# Altium PCB MASOUD.PcbDoc (part 3 of 5) (continued)
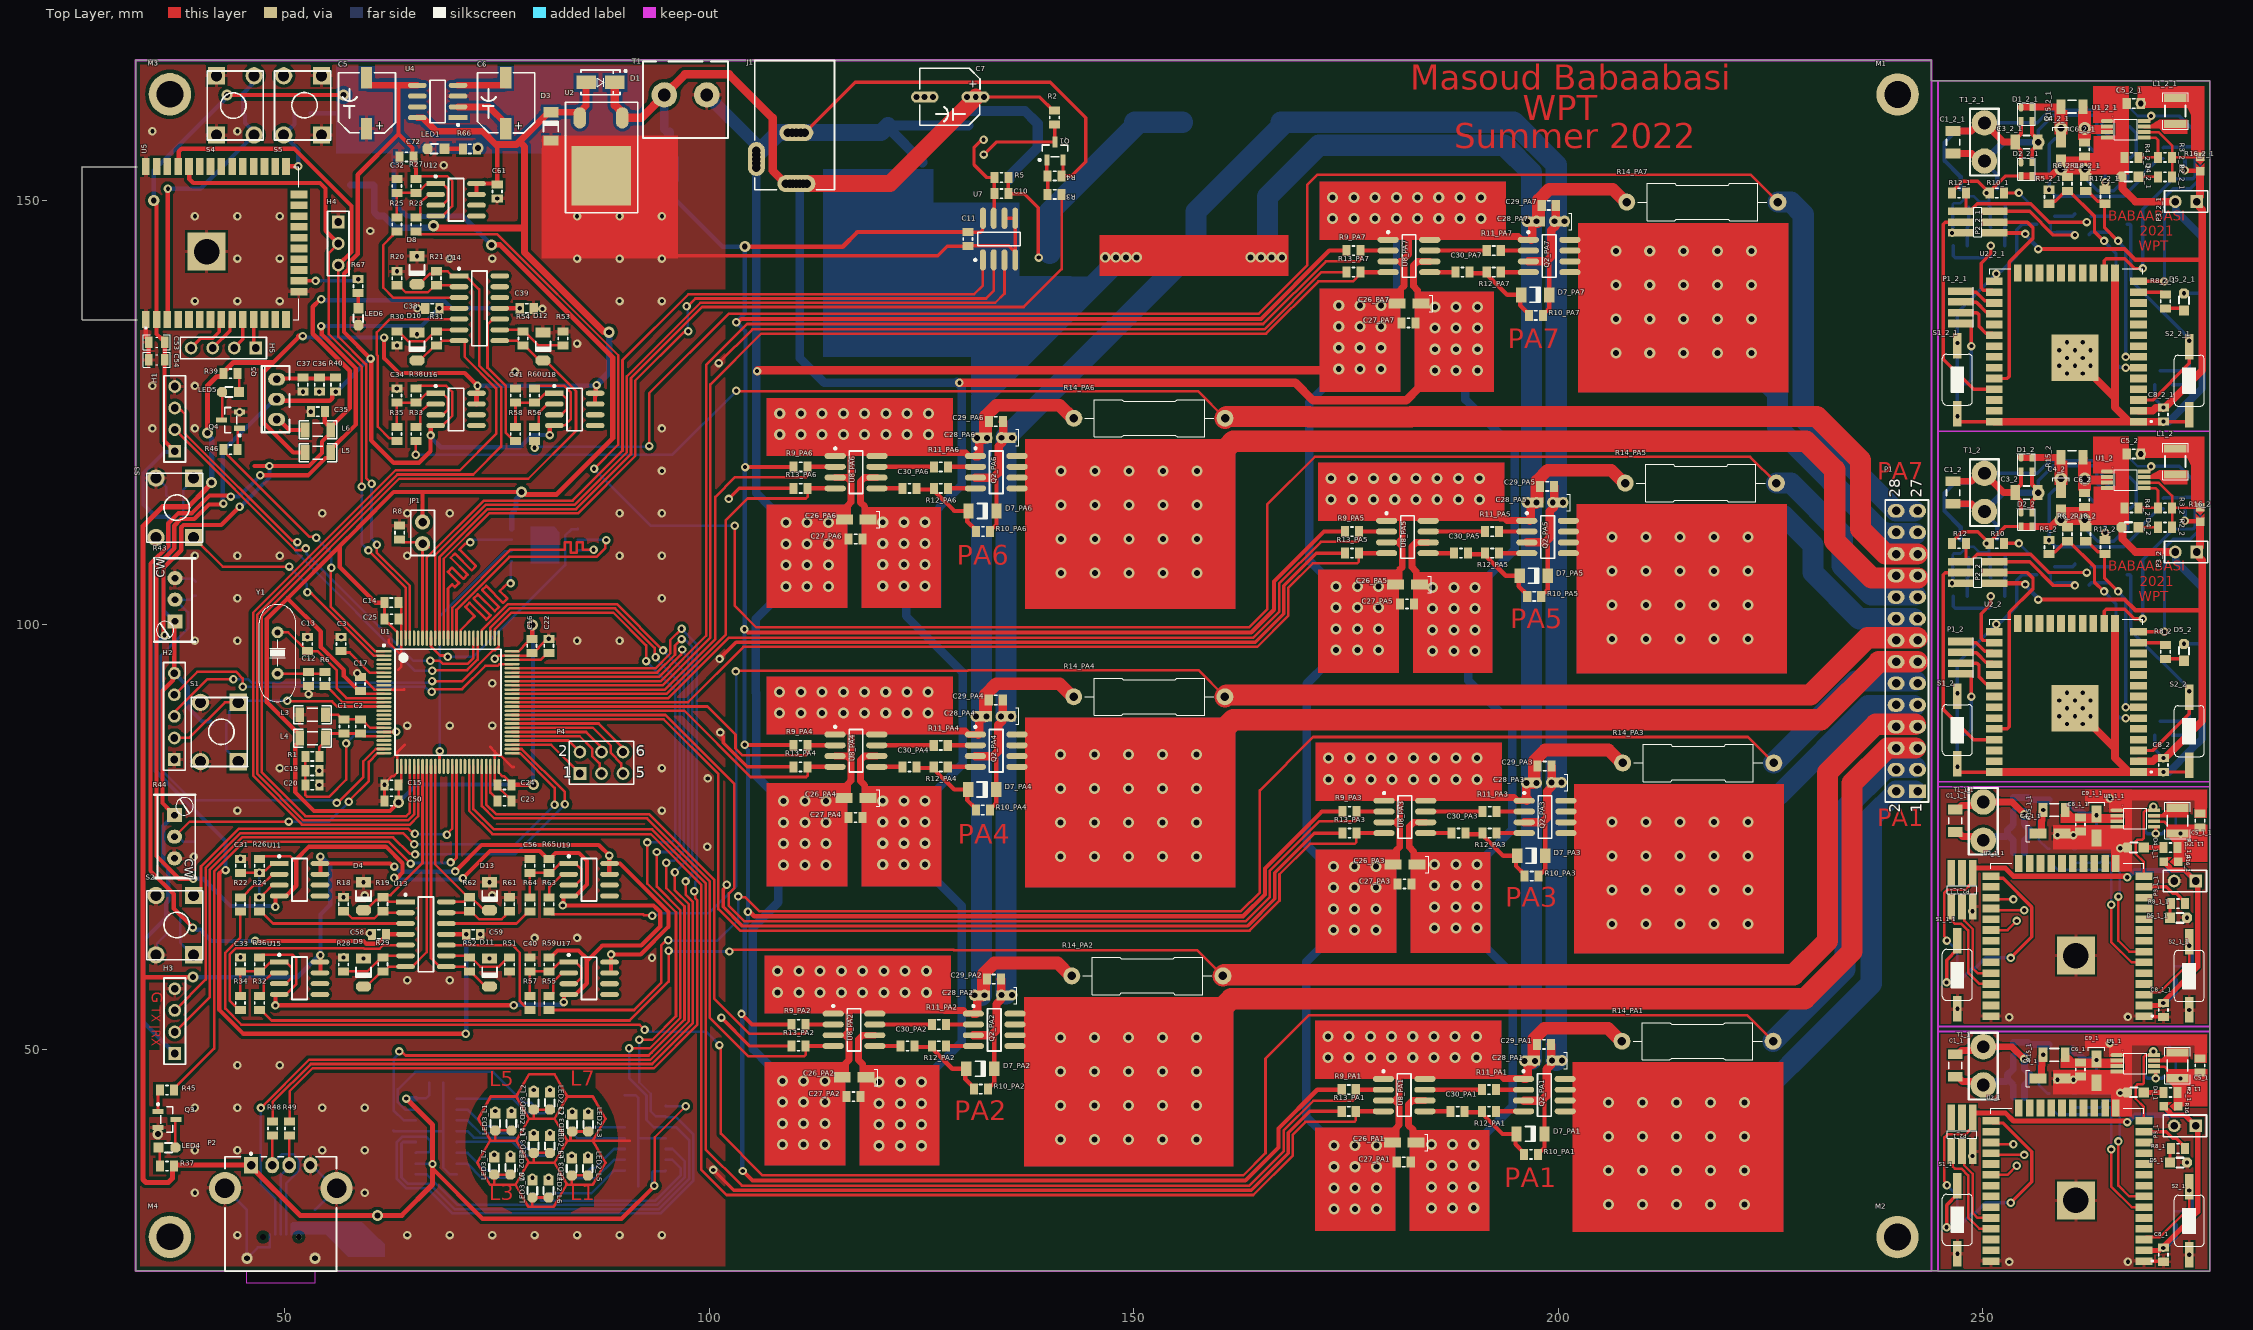
[diagram p0: Top Layer view]
## Nets (pads, with @x,y where several pads share a name; then routed paths per layer and width w, separated by ;. In a path a pad name is that pad's centre, name@x,y a point inside that pad or via, vN(x,y) a via of type N, cw(c..) or ccw(c..) an arc to the next point about the centre after c; other vN are vias at no path point) (continued)
270.64,157.099 270.345,157.394 269.03,157.394 ; 268.969,27.629 269.269,27.929 270.884,27.929 274.32,31.365 v2(274.32,33.397) ; 268.969,41.599 268.969,43.261 268.021,44.209 268.021,45.699 268.226,45.904 268.81,45.904 268.986,46.08 268.986,49.145 269.191,49.35 270.162,49.35 v2@270.17,49.358 ; 268.969,56.458 269.269,56.758 270.884,56.758 274.32,60.194 v2(274.32,62.226) ; 268.969,70.428 268.969,72.09 268.021,73.038 268.021,74.528 268.226,74.733 268.81,74.733 268.986,74.909 268.986,77.974 269.191,78.179 270.162,78.179 v2@270.17,78.187 ; 269.03,116.773 270.711,116.773 272.292,115.192 272.292,113.796 272.291,113.795 ; 269.03,118.073 269.53,118.073 269.695,118.237 269.695,118.538 v2(269.828,118.672) ; 269.03,158.044 270.711,158.044 272.292,156.463 272.292,155.067 272.291,155.066 ; 269.03,159.344 269.53,159.344 269.695,159.508 269.695,159.809 v2(269.828,159.943) ; 270.551,48.058 270.626,47.983 271.421,47.983 272.637,46.767 272.811,46.767 ; 270.551,76.887 270.626,76.812 271.421,76.812 272.637,75.596 272.811,75.596 ; 272.05,36.699 272.05,38.239 272.161,38.35 ; 272.05,65.528 272.05,67.068 272.161,67.179 ; 272.291,111.51 272.291,113.795 ; 272.291,152.781 272.291,155.066 ; v2@272.923,46.605 272.923,44.954 272.923,43.391 273.011,43.303 ; v2@272.923,75.434 272.923,73.783 272.923,72.22 273.011,72.132 ; v2(273.304,46.605) 273.744,46.605 274.443,47.304 275.59,47.304 ; v2(273.304,75.434) 273.744,75.434 274.443,76.133 275.59,76.133 ; 275.593,113.884 275.504,113.795 272.291,113.795 ; 275.593,155.155 275.504,155.066 272.291,155.066 ; 77.31,39.274 78.81,41.872 81.81,41.872 83.31,39.274 81.81,36.676 78.81,36.676 77.31,39.274
  Top Layer w0.4: 36.985,36.274 37.095,36.384 ; 39.005,132.624 40.155,133.774 41.56,133.774 42.315,134.529 42.315,135.724 42.565,135.974 ; 41.545,132.624 43.585,134.664 43.585,135.724 43.835,135.974 ; 44.085,132.624 45.105,133.644 45.105,135.974 ; 46.375,135.974 46.375,132.874 46.625,132.624 ; 51.685,140.529 51.688,140.526 53.657,140.526 v2(53.66,140.524) ; 58.685,139.074 58.685,137.324 58.71,137.299 ; 94.14,143.574 94.215,143.499 126.929,143.499 128.054,144.624 130.485,144.624 130.51,144.649 135.315,144.649 136.065,143.899 ; v2(100.51,35.824) 102.91,33.424 163.863,33.424 168.21,37.771 168.21,40.221 170.72,42.731 174.515,42.731 ; v2(101.235,95.999) 101.235,96.031 103.178,97.974 103.793,97.974 164.335,97.974 167.685,101.324 167.685,104.648 171.495,108.458 174.897,108.458 ; v2(101.31,87.349) 101.31,87.19 101.685,86.815 101.685,86.124 104.516,83.293 109.953,83.293 ; v2(101.46,53.774) 104.818,50.416 109.725,50.416 ; v2(102.085,69.399) 102.085,69.29 101.66,68.865 101.66,66.821 103.932,64.549 163.42,64.549 166.61,67.739 166.61,70.848 171.256,75.494 174.596,75.494 ; v2(102.31,114.849) 103.551,116.09 109.967,116.09 ; 109.608,50.474 109.725,50.591 ; 110.285,157.974 111.285,157.974 117.21,163.899 140.185,163.899 144.36,159.724 144.36,154.549 142.71,152.899 141.535,152.899 141.685,153.049 141.685,154.774 ; 130.485,146.274 131.968,146.274 132.202,146.508 132.202,147.846 132.255,147.899 ; v2(132.335,157.149) 132.11,157.149 131.21,156.249 131.21,154.174 132.685,152.699 133.61,152.699 133.61,150.799 133.567,150.757 133.567,147.941 133.525,147.899 ; v3@132.385,161.801 v3(132.385,162.174) 138.935,162.174 140.51,160.599 140.685,160.599 ; v2@132.42,155.339 v2(132.36,155.399) 133.835,156.874 140.735,156.874 140.735,158.799 140.71,158.824 ; 134.795,147.899 136.065,147.899 136.065,143.899 ; 135.26,152.699 135.26,150.799 137.11,150.799 138.76,149.149 138.76,143.349 v2(138.835,143.274) ; 136.065,142.999 136.065,143.899 ; 139.785,154.774 139.785,152.999 139.885,152.899 139.885,150.724 ; 146.21,145.499 146.235,145.474 ; v2(245.745,29.079) 245.745,31.698 247.015,32.968 247.015,33.968 ; v2(245.745,57.908) 245.745,60.527 247.015,61.797 247.015,62.797 ; v2(246.383,104.906) 247.431,104.906 ; v2(246.383,146.177) 247.431,146.177 ; 246.384,109.605 246.384,109.78 247.606,111.002 249.431,111.002 v2@250.378,110.055 ; 246.384,150.876 246.384,151.051 247.606,152.273 249.431,152.273 v2@250.378,151.326 ; v2(247.018,83.308) 247.018,82.981 247.318,82.681 251.354,82.681 ; v2@247.018,91.634 v2(247.018,91.952) ; v2(247.018,124.579) 247.018,124.252 247.318,123.952 251.354,123.952 ; v2@247.018,132.905 v2(247.018,133.223) ; 247.399,94.238 248.419,94.238 248.669,93.988 v2(248.669,91.571) ; 247.399,95.508 247.411,95.496 249.324,95.496 249.558,95.262 249.558,93.891 250.359,93.091 251.104,93.091 251.354,92.841 ; 247.399,96.778 247.453,96.725 249.265,96.725 250.359,95.631 251.104,95.631 251.354,95.381 ; 247.399,98.048 247.542,97.905 249.255,97.905 250.259,96.901 251.104,96.901 251.354,96.651 ; 247.399,135.509 248.419,135.509 248.669,135.259 v2(248.669,132.842) ; 247.399,136.779 247.411,136.767 249.324,136.767 249.558,136.533 249.558,135.162 250.359,134.362 251.104,134.362 251.354,134.112 ; 247.399,138.049 247.453,137.996 249.265,137.996 250.359,136.902 251.104,136.902 251.354,136.652 ; 247.399,139.319 247.542,139.176 249.255,139.176 250.259,138.172 251.104,138.172 251.354,137.922 ; 247.431,106.176 247.395,106.14 245.566,106.14 245.367,105.942 245.367,90.047 248.923,86.491 251.354,86.491 ; 247.431,107.446 247.784,107.446 ; 247.431,147.447 247.395,147.411 245.566,147.411 245.367,147.213 245.367,131.318 248.923,127.762 251.354,127.762 ; 247.431,148.717 247.784,148.717 ; 248.034,109.605 248.034,107.696 247.784,107.446 ; 248.034,150.876 248.034,148.967 247.784,148.717 ; v2(248.793,37.461) 248.793,38.001 ; v2(248.793,66.29) 248.793,66.83 ; v2@250.828,109.78 252.647,111.599 254.496,111.599 ; v2@250.828,151.051 252.647,152.87 254.496,152.87 ; v2(250.955,103.382) 250.955,102.493 249.812,101.35 249.812,98.429 250.07,98.171 251.104,98.171 251.354,97.921 ; v2(250.955,144.653) 250.955,143.764 249.812,142.621 249.812,139.7 250.07,139.442 251.104,139.442 251.354,139.192 ; 250.969,41.599 251.219,41.349 252.401,41.349 255.789,37.961 255.789,34.449 v2(253.301,31.961) ; 250.969,70.428 251.219,70.178 252.401,70.178 255.789,66.79 255.789,63.278 v2(253.301,60.79) ; 251.354,87.761 252.88,87.761 253.114,87.995 253.114,101.477 255.919,104.282 255.919,105.53 255.273,106.176 251.431,106.176 ; 251.354,99.191 251.59,99.427 v2(251.59,100.08) ; 251.354,129.032 252.88,129.032 253.114,129.266 253.114,142.748 255.919,145.553 255.919,146.801 255.273,147.447 251.431,147.447 ; 251.354,140.462 251.59,140.698 v2(251.59,141.351) ; 251.431,107.446 255.527,107.446 258.321,104.652 v2(260.861,104.652) ; 251.431,148.717 255.527,148.717 258.321,145.923 v2(260.861,145.923) ; 252.478,109.605 v2(254.257,109.605) ; 252.478,150.876 v2(254.257,150.876) ; 257.813,108.335 258.088,108.61 258.548,108.61 259.797,109.859 260.147,109.859 263.158,106.848 263.158,105.022 264.229,103.951 v2(264.29,103.951) ; 257.813,149.606 258.088,149.881 258.548,149.881 259.797,151.13 260.147,151.13 263.158,148.119 263.158,146.293 264.229,145.222 v2(264.29,145.222) ; v4(262.004,112.399) v4@262.131,112.272 ; v4@262.004,116.971 262.202,116.773 264.63,116.773 ; v4@262.004,117.437 262.019,117.423 264.63,117.423 ; v4(262.004,153.67) v4@262.131,153.543 ; v4@262.004,158.242 262.202,158.044 264.63,158.044 ; v4@262.004,158.708 262.019,158.694 264.63,158.694 ; 262.131,109.859 262.306,109.859 263.554,108.611 264.142,108.611 264.417,108.336 264.344,108.263 264.344,105.487 265.88,103.951 v2(265.941,103.951) ; 262.131,151.13 262.306,151.13 263.554,149.882 264.142,149.882 264.417,149.607 264.344,149.534 264.344,146.758 265.88,145.222 v2(265.941,145.222) ; v2(262.258,106.176) 257.813,106.176 255.654,108.335 249.37,108.335 248.481,107.446 247.784,107.446 ; v2(262.258,147.447) 257.813,147.447 255.654,149.606 249.37,149.606 248.481,148.717 247.784,148.717 ; v2@263.199,48.563 263.326,48.563 263.831,48.058 266.151,48.058 ; v2@263.199,77.392 263.326,77.392 263.831,76.887 266.151,76.887 ; v2@263.453,48.708 265.77,48.708 266.151,48.708 ; v2@263.453,77.537 265.77,77.537 266.151,77.537 ; 264.299,100.191 264.299,101.624 264.534,101.858 266.703,101.858 267.846,100.715 v2(268.862,100.715) ; 264.299,141.462 264.299,142.895 264.534,143.129 266.703,143.129 267.846,141.986 v2(268.862,141.986) ; 264.63,116.123 264.655,116.148 266.386,116.148 ; 264.63,118.073 265.13,118.073 265.953,118.896 ; 264.63,157.394 264.655,157.419 266.386,157.419 ; 264.63,159.344 265.13,159.344 265.953,160.167 ; 266.068,120.146 265.953,120.031 265.953,118.896 ; 266.068,161.417 265.953,161.302 265.953,160.167 ; 266.339,111.51 266.339,111.693 266.704,112.058 266.704,113.796 ; 266.339,152.781 266.339,152.964 266.704,153.329 266.704,155.067 ; 266.704,113.833 266.704,115.829 265.953,116.58 265.953,118.896 ; 266.704,155.104 266.704,157.1 265.953,157.851 265.953,160.167 ; v2(266.837,89.031) 268.354,89.031 ; v2(266.837,90.301) 268.354,90.301 ; v2(266.837,130.302) 268.354,130.302 ; v2(266.837,131.572) 268.354,131.572 ; 268.354,85.221 270.005,85.221 274.323,89.539 274.323,91.507 ; 268.354,97.921 270.895,97.921 ; 268.354,99.191 v2(271.402,99.191) ; 268.354,126.492 270.005,126.492 274.323,130.81 274.323,132.778 ; 268.354,139.192 270.895,139.192 ; 268.354,140.462 v2(271.402,140.462) ; 268.969,25.089 269.006,25.052 271.236,25.052 271.272,25.016 ; 268.969,40.329 271.604,40.329 272.368,39.564 272.772,39.564 273.811,38.525 273.811,38.35 ; 268.969,53.918 269.006,53.881 271.236,53.881 271.272,53.845 ; 268.969,69.158 271.604,69.158 272.368,68.393 272.772,68.393 273.811,67.354 273.811,67.179 ; 269.03,117.423 269.055,117.398 270.864,117.398 270.997,117.266 271.376,117.266 271.847,117.737 272.672,117.737 ; 269.03,158.694 269.055,158.669 270.864,158.669 270.997,158.536 271.376,158.536 271.847,159.008 272.672,159.008 ; v2(270.101,49.786) 270.101,49.383 270.126,49.358 v2@270.17,49.358 ; v2(270.101,78.615) 270.101,78.212 270.126,78.187 v2@270.17,78.187 ; 270.17,48.708 270.176,48.714 271.163,48.714 272.098,49.649 272.923,49.649 ; 270.17,77.537 270.176,77.543 271.163,77.543 272.098,78.478 272.923,78.478 ; v2(270.383,46.605) 270.383,47.383 270.408,47.408 270.551,47.408 ; v2(270.383,75.434) 270.383,76.212 270.408,76.237 270.551,76.237 ; 271.002,97.941 271.079,97.941 271.403,97.617 271.403,97.54 ; 271.002,139.212 271.079,139.212 271.403,138.888 271.403,138.811 ; v2(271.274,82.681) v2(271.274,82.681) 274.023,82.682 ; v2(271.274,123.952) v2(271.274,123.952) 274.023,123.953 ; 271.529,96.016 273.196,96.016 273.434,95.778 ; 271.529,137.287 273.196,137.287 273.434,137.049
  Top Layer w0.5: 33.346,58.524 v1(39.21,58.524) ; 33.675,135.974 33.675,133.859 34.01,133.524 34.01,133.299 34.01,131.224 ; v1(34.61,149.999) 34.61,149.783 34.945,149.448 34.945,135.974 34.945,134.264 35.485,133.724 35.71,133.724 35.91,133.524 35.91,133.299 35.91,131.224 35.885,131.199 35.885,121.669 37.085,120.469 ; v2(35.885,98.799) 35.846,98.799 35.771,98.874 35.771,106.735 37.841,108.805 37.841,111.509 38.105,111.772 42.558,111.772 v2(44.71,113.924) ; 36.215,135.974 36.25,136.009 36.25,151.339 v2(36.285,151.374) ; 37.06,77.604 36.996,77.604 36.421,78.179 36.421,78.243 35.635,79.029 35.635,92.249 36.844,93.458 36.844,94.128 37.035,94.319 37.035,100.359 37.11,100.434 ; 37.485,153.974 37.54,154.029 37.54,155.729 37.91,156.099 51.136,156.099 57.885,149.35 57.885,143.935 56.335,142.385 ; 38.755,153.974 38.792,153.937 38.792,152.517 39.26,152.049 54.196,152.049 54.835,151.41 54.835,146.425 56.335,144.925 ; v2(39.21,64.374) 36.96,66.624 36.96,68.324 34.235,71.049 34.235,107.224 36.328,109.317 36.328,111.976 37.525,113.172 39.094,113.172 41.17,115.249 43.204,115.249 43.233,115.22 43.589,115.22 v2(43.685,115.124) ; v2(39.26,70.124) 37.593,70.124 34.935,72.782 34.935,106.934 37.028,109.028 37.028,111.686 37.815,112.472 39.383,112.472 41.114,114.203 42.714,114.203 v2(42.81,114.299) ; v2(43.069,71.14) 43.027,71.099 42.71,71.099 42.31,70.699 42.31,54.7 45.136,51.874 v2(71.36,51.874) ; v1(43.26,162.399) 43.272,162.411 56.922,162.411 v1(56.935,162.424) ; 46.46,118.724 v2(48.235,118.724) 52.88,118.724 54.415,120.259 54.415,121.594 55.445,122.624 55.445,122.974 55.445,123.324 ; v2(46.535,62.799) 59.299,62.799 59.624,62.474 60.946,62.474 61.376,62.904 61.44,62.904 61.935,63.399 61.935,63.574 64.26,63.574 ; v2(47.16,117.624) 52.77,117.624 54.825,119.679 55.175,119.679 55.445,119.949 55.445,120.649 58.41,123.614 58.41,130.214 54.406,134.218 54.406,135.103 v2(54.31,135.199) ; v2(48.935,66.824) 48.935,68.053 48.981,68.099 49.385,68.099 50.185,68.099 51.385,69.299 51.385,72.049 51.385,72.399 52.885,73.899 61.943,73.899 63.899,71.943 63.899,70.838 63.36,70.299 62.965,70.299 v2(62.912,70.245) ; 49.085,124.199 49.335,124.199 50.56,122.974 52.425,122.974 ; 49.085,126.574 49.26,126.399 55.342,126.399 55.635,126.692 v2@55.635,127.249 ; 49.085,128.949 49.173,129.036 55.948,129.036 56.035,129.124 ; 49.385,56.494 48.981,56.494 48.935,56.448 v2(48.935,55.199) 48.948,55.211 76.997,55.211 v2(77.01,55.224) ; 50.185,153.974 50.235,154.024 v2(51.635,154.024) ; v2@51.677,133.928 48.672,130.924 47.56,129.812 47.56,123.777 51.038,120.299 52.425,120.299 ; 54.185,59.034 54.189,59.034 54.235,59.08 v2(54.235,61.099) ; 54.185,70.639 54.189,70.639 54.235,70.685 54.235,71.909 ; 54.185,71.909 54.235,71.909 ; v2(54.235,72.724) 54.235,71.909 ; v2(54.335,138.349) 54.2,138.349 53.335,137.484 53.335,134.299 57.685,129.949 57.685,125.564 55.445,123.324 ; 54.76,125.124 54.76,123.887 55.053,123.594 55.175,123.594 55.445,123.324 ; 58.65,111.439 56.51,109.299 ; 58.685,111.474 62.86,115.649 ; 58.935,92.224 58.76,92.224 56.994,93.99 56.994,94.683 54.285,97.392 54.285,99.199 50.347,103.136 ; v2(61.735,133.849) 61.735,131.424 63.485,129.674 71.235,129.674 v2(72.735,128.174) 72.735,127.34 72.689,127.294 72.61,127.294 ; 61.76,102.624 60.71,102.624 56.51,106.824 56.51,109.299 ; 62.91,115.649 66.36,115.649 ; v2(62.949,71.549) 62.814,71.549 62.454,71.909 54.235,71.909 ; v1(63.435,79.099) 62.435,78.099 53.487,78.099 51.26,80.326 51.26,85.786 51.8,86.326 51.8,86.676 51.8,87.026 47.91,90.916 47.91,100.699 50.347,103.136 ; 63.435,163.554 63.435,157.824 ; 65.485,152.534 65.485,153.759 65.435,153.809 65.435,154.899 65.08,155.254 65.08,156.179 63.435,157.824 ; 66.26,112.119 66.26,115.549 66.36,115.649 ; 67.435,35.974 73.335,30.074 89.685,30.074 v2(93.56,33.949) ; v2@67.435,36.316 v2(67.435,36.524) ; 67.81,123.484 67.281,123.484 67.235,123.438 67.235,122.349 v2(67.21,122.324) 67.21,120.455 65.854,119.099 62.86,119.099 60.21,121.749 60.21,131.299 57.01,134.499 57.01,141.363 57.535,141.888 57.535,142.595 58.635,143.695 58.635,153.024 63.435,157.824 ; v2(68.235,137.294) 70.56,137.294 ; 68.835,156.074 68.837,156.076 71.008,156.076 71.01,156.079 ; 69.06,63.574 v2(71.41,63.574) ; v2(70.11,70.974) 73.225,74.089 87.02,74.089 v2(88.26,72.849) 88.26,71.934 88.285,71.909 89.525,71.909 95.235,66.199 95.235,64.474 91.96,61.199 v2(88.46,61.199) 88.46,59.07 88.414,59.024 88.285,59.024 ; v2(71.021,70.193) 74.217,73.389 80.06,73.389 80.985,72.464 81.335,72.464 81.56,72.689 81.56,72.788 81.933,73.162 84.672,73.162 85.635,72.199 85.635,69.449 84.285,68.099 83.485,68.099 82.906,68.099 82.86,68.053 82.86,67.049 v2(82.785,66.974) 93.47,66.974 93.74,66.704 94.26,66.184 94.26,64.489 92.02,62.249 87.435,62.249 85.61,60.424 ; 72.61,150.709 72.61,151.979 74.955,151.979 75.06,151.874 75.06,156.421 74.885,156.596 ; 75.36,134.754 75.379,134.735 ; 75.36,137.294 v2(77.71,137.294) ; 76.735,81.174 76.76,81.199 79.31,81.199 v1(79.335,81.224) ; v1(77.935,115.649) 66.36,115.649 ; 77.954,134.735 78.11,134.579 ; 79.135,98.374 79.185,98.424 79.185,99.949 v1(79.235,99.999) ; 81.16,60.849 81.335,60.849 82.16,61.674 84.635,61.674 85.61,60.699 85.61,60.424 ; v2(81.235,122.374) 81.235,123.438 81.281,123.484 81.785,123.484 ; v2(82.885,55.599) 82.91,55.624 82.91,56.438 82.956,56.484 83.485,56.484 84.285,56.484 85.61,57.809 85.61,60.424 ; 86.585,126.024 86.585,126.974 86.664,127.053 86.664,128.153 v2(86.76,128.249) ; 88.26,71.909 88.26,70.664 88.285,70.639 ; v2(103.21,135.664) 103.418,135.664 103.803,136.049 165.01,136.049 173.05,144.089 175.078,144.089 ; v2(103.825,54.202) 105.071,52.956 109.725,52.956 ; v2(103.985,35.699) 105.11,34.574 163.16,34.574 167.06,38.474 167.06,40.698 171.633,45.271 174.515,45.271 ; v2(104.175,99.509) 104.218,99.509 104.603,99.124 163.859,99.124 166.535,101.8 166.535,105.124 172.409,110.998 174.897,110.998 ; v2(104.2,85.899) 104.233,85.866 109.92,85.866 109.953,85.833 ; v1(104.21,144.549) 115.743,144.549 117.468,146.274 130.485,146.274 ; v2(104.25,118.599) 104.265,118.614 109.951,118.614 109.967,118.63 ; v2(104.589,66.228) 104.797,66.228 105.325,65.699 162.885,65.699 165.46,68.274 165.46,71.324 172.17,78.034 174.596,78.034 174.566,78.004 ; 111.375,50.416 114.625,50.416 ; 111.375,52.956 114.625,52.956 ; 111.603,83.293 114.853,83.293 ; 111.603,85.833 114.853,85.833 ; 111.617,116.09 114.867,116.09 ; 111.617,118.63 114.867,118.63 ; 119.525,50.416 122.426,50.416 122.553,50.289 ; 119.525,52.956 126.235,52.956 ; 119.753,83.293 122.654,83.293 122.781,83.166 ; 119.753,85.833 126.463,85.833 ; 119.767,116.09 122.668,116.09 122.795,115.963 ; 119.767,118.63 126.477,118.63 ; 124.203,50.289 126.235,50.289 126.46,50.064 126.46,49.937 128.648,47.749 130.3,47.749 ; 124.431,83.166 126.463,83.166 126.688,82.941 126.688,82.814 128.876,80.626 130.528,80.626 ; 124.445,115.963 126.477,115.963 126.702,115.738 126.702,115.611 128.89,113.423 130.542,113.423 ; 127.885,50.416 131.135,50.416 ; 127.885,52.956 131.135,52.956 ; 128.113,83.293 131.363,83.293 ; 128.113,85.833 131.363,85.833 ; 128.127,116.09 131.377,116.09 ; 128.127,118.63 131.377,118.63 ; 130.172,47.749 130.172,46.527 131.188,45.511 131.188,45.336 ; 130.4,80.626 130.4,79.404 131.416,78.388 131.416,78.213 ; 130.414,113.423 130.414,112.201 131.43,111.185 131.43,111.01 ; 132.838,45.336 132.838,45.511 133.063,45.736 133.212,45.736 133.6,46.124 133.6,47.749 133.6,51.355 133.269,51.686 ; 133.066,78.213 133.066,78.388 133.291,78.613 133.44,78.613 133.828,79.001 133.828,80.626 133.828,84.232 133.497,84.563 ; 133.08,111.01 133.08,111.185 133.305,111.41 133.454,111.41 133.842,111.798 133.842,113.423 133.842,117.029 133.511,117.36 ; 176.165,42.731 179.415,42.731 ; 176.165,45.271 179.415,45.271 ; 176.246,75.494 179.496,75.494 ; 176.246,78.034 179.496,78.034 ; 176.547,108.458 179.797,108.458 ; 176.547,110.998 179.797,110.998 ; 176.728,141.549 179.978,141.549 ; 176.728,144.089 179.978,144.089 ; 184.315,42.731 187.216,42.731 187.343,42.604 ; 184.315,45.271 191.025,45.271 ; 184.396,75.494 187.297,75.494 187.424,75.367 ; 184.396,78.034 191.106,78.034 ; 184.697,108.458 187.598,108.458 187.725,108.331 ; 184.697,110.998 191.407,110.998 ; 184.878,141.549 187.779,141.549 187.906,141.422 ; 184.878,144.089 191.588,144.089 ; 188.993,42.604 191.025,42.604 191.25,42.379 191.25,42.252 193.438,40.064 195.09,40.064 ; 189.074,75.367 191.106,75.367 191.331,75.142 191.331,75.015 193.519,72.827 195.171,72.827 ; 189.375,108.331 191.407,108.331 191.632,108.106 191.632,107.979 193.82,105.791 195.472,105.791 ; 189.556,141.422 191.588,141.422 191.813,141.197 191.813,141.07 194.001,138.882 195.653,138.882 ; 192.675,42.731 195.925,42.731 ; 192.675,45.271 195.925,45.271 ; 192.756,75.494 196.006,75.494 ; 192.756,78.034 196.006,78.034 ; 193.057,108.458 196.307,108.458 ; 193.057,110.998 196.307,110.998 ; 193.238,141.549 196.488,141.549 ; 193.238,144.089 196.488,144.089 ; 194.962,40.064 194.962,38.842 195.978,37.826 195.978,37.651 ; 195.043,72.827 195.043,71.605 196.059,70.589 196.059,70.414 ; 195.344,105.791 195.344,104.569 196.36,103.553 196.36,103.378 ; 195.525,138.882 195.525,137.66 196.541,136.644 196.541,136.469 ; 197.628,37.651 197.628,37.826 197.853,38.051 198.002,38.051 198.39,38.439 198.39,40.064 198.39,43.67 198.059,44.001 ; 197.709,70.414 197.709,70.589 197.934,70.814 198.083,70.814 198.471,71.202 198.471,72.827 198.471,76.433 198.14,76.764 ; 198.01,103.378 198.01,103.553 198.235,103.778 198.384,103.778 198.772,104.166 198.772,105.791 198.772,109.397 198.441,109.728 ; 198.191,136.469 198.191,136.644 198.416,136.869 198.565,136.869 198.953,137.257 198.953,138.882 198.953,142.488 198.622,142.819 ; 251.939,104.906 254.757,104.906 254.884,104.779 v2(255.019,104.779) ; 251.939,146.177 254.757,146.177 254.884,146.05 v2(255.019,146.05) ; 254.496,113.199 254.496,114.617 253.821,115.292 253.821,115.592 253.821,115.892 254.496,116.567 254.496,118.076 ; 254.496,119.676 254.511,119.691 ; 254.496,154.47 254.496,155.888 253.821,156.563 253.821,156.863 253.821,157.163 254.496,157.838 254.496,159.347 ; 254.496,160.947 254.511,160.962 ; 255.781,119.691 255.796,119.706 ; 255.781,160.962 255.796,160.977 ; 255.796,113.229 255.796,114.617 256.471,115.292 256.471,115.592 256.471,115.892 255.796,116.567 255.796,118.076 ; 255.796,154.5 255.796,155.888 256.471,156.563 256.471,156.863 256.471,157.163 255.796,157.838 255.796,159.347 ; v2(256.543,103.001) 266.703,103.001 267.973,101.731 275.72,101.731 275.847,101.858 ; v2(256.543,144.272) 266.703,144.272 267.973,143.002 275.72,143.002 275.847,143.129 ; v2(263.398,48.763) v2@263.453,48.708 ; v2(263.398,77.592) v2@263.453,77.537 ; v2(273.815,112.272) 273.859,112.228 275.549,112.228 275.593,112.184 ; v2(273.815,153.543) 273.859,153.499 275.549,153.499 275.593,153.455 ; 50.347,103.136 56.51,109.299
  Top Layer w0.6: 36.985,36.274 36.81,36.099 36.81,34.849 36.31,34.349 33.698,34.349 33.346,34.7 33.346,58.524 33.346,111.635 35.633,113.922 38.678,113.922 40.823,116.068 40.823,116.098 41.435,116.709 v1(41.435,116.799) ; 37.095,36.384 46.065,36.384 46.065,36.234 51.825,30.474 63.809,30.474 67.435,34.1 67.435,35.974 v2@67.435,36.316 ; v1(40.935,122.624) 40.935,128.174 42.01,129.249 42.66,129.249 42.835,129.424 42.835,129.774 43.434,130.373 43.434,130.38 43.978,130.924 48.672,130.924 ; v2@51.677,134.024 v2(52.16,134.024) ; v2(64.345,44.224) 67.435,41.134 v2(67.435,36.524) ; 72.61,126.024 72.61,127.294 ; v1@72.66,156.079 72.665,156.079 v1(72.785,156.199) ; v1(74.36,144.774) 75.382,144.774 88.66,131.496 88.66,121.999 82.01,115.349 v1@78.424,115.349 ; 248.821,42.011 248.821,42.399 248.971,42.549 252.647,42.549 253.61,41.586 266.901,41.586 v2(267.026,41.461) ; 248.821,70.84 248.821,71.228 248.971,71.378 252.647,71.378 253.61,70.415 266.901,70.415 v2(267.026,70.29) ; 268.969,26.359 270.79,26.359 ; 268.969,55.188 270.79,55.188 ; 268.971,44.954 271.273,44.954 ; 268.971,73.783 271.273,73.783 ; v2@271.185,26.753 275.32,30.889 275.32,40.779 275.082,41.017 273.796,42.303 272.304,42.303 271.935,42.672 271.935,42.679 271.311,43.303 ; v2@271.185,55.582 275.32,59.718 275.32,69.608 275.082,69.846 273.796,71.132 272.304,71.132 271.935,71.501 271.935,71.508 271.311,72.132
  Top Layer w0.8: 59.685,164.446 59.685,163.846 59.978,163.554 63.435,163.554 65.647,163.554 ; 65.647,159.744 66.247,159.744 67.842,158.149 73.332,158.149 74.885,156.596 77.332,156.596 77.66,156.924 ; v1(67.535,147.019) 67.67,147.019 67.94,146.749 78.26,146.749 ; 70.447,161.014 74.093,161.014 76.06,159.046 76.06,158.446 ; 70.447,163.554 75.768,163.554 76.06,163.846 76.06,164.446 ; 84.785,159.724 84.785,160.035 ; 85.437,163.986 85.524,163.899 85.524,161.153 84.785,160.413 84.785,160.035 ; v1(88.239,134.474) 88.143,134.57 87.567,134.57 78.26,143.876 78.26,146.749 ; 114.853,84.563 116.235,84.563 116.703,84.094 ; 114.867,117.36 116.249,117.36 116.717,116.891 ; 115.688,46.733 115.907,46.733 116.107,46.932 116.107,48.416 116.475,48.784 116.475,51.217 116.007,51.686 116.475,52.155 116.475,54.624 117.1,55.249 117.585,55.249 ; 115.916,79.61 116.135,79.61 116.335,79.809 116.335,81.293 116.703,81.661 116.703,84.094 ; 115.93,112.407 116.149,112.407 116.349,112.606 116.349,114.09 116.717,114.458 116.717,116.891 ; 117.26,121.149 116.717,120.606 116.717,116.891 ; 117.685,88.074 117.278,88.074 116.703,87.499 116.703,84.094 ; 117.76,123.328 120.789,120.299 128.779,120.299 128.804,120.274 130.203,120.274 130.527,119.95 ; 118.107,48.257 117.599,48.765 117.599,51.217 118.068,51.686 119.525,51.686 ; 118.335,81.134 117.827,81.642 117.827,84.094 118.296,84.563 119.753,84.563 ; 118.349,113.931 117.841,114.439 117.841,116.891 118.31,117.36 119.767,117.36 ; 127.735,54.599 129.962,54.599 130.285,54.276 131.085,54.276 131.135,54.226 ; 127.985,87.624 128.11,87.499 130.167,87.499 130.563,87.103 131.363,87.103 131.684,87.103 ; 180.478,39.048 180.697,39.048 180.897,39.247 180.897,40.731 181.265,41.099 181.265,43.532 180.797,44.001 181.265,44.47 181.265,47.329 182.085,48.149 ; 180.559,71.811 180.778,71.811 180.978,72.01 180.978,73.494 181.346,73.862 181.346,76.295 180.878,76.764 181.346,77.233 181.346,79.81 182.11,80.574 ; 180.86,104.775 181.079,104.775 181.279,104.974 181.279,106.458 181.647,106.826 181.647,109.259 181.179,109.728 181.647,110.197 181.647,113.386 181.66,113.399 ; 181.041,137.866 181.26,137.866 181.46,138.065 181.46,139.549 181.828,139.917 181.828,142.35 181.36,142.819 181.58,142.819 182.385,143.624 182.385,146.524 182.31,146.599 ; 182.897,40.572 182.389,41.08 182.389,43.532 182.858,44.001 184.315,44.001 ; 182.978,73.335 182.47,73.843 182.47,76.295 182.939,76.764 184.396,76.764 ; 183.279,106.299 182.771,106.807 182.771,109.259 183.24,109.728 184.697,109.728 ; 183.46,139.39 182.952,139.898 182.952,142.35 183.421,142.819 184.878,142.819 ; 192.76,79.824 192.885,79.699 194.811,79.699 195.206,79.304 196.006,79.304 196.327,79.304 ; 192.935,47.024 193.164,47.024 193.597,46.591 195.875,46.591 195.925,46.541 ; 193.185,112.599 193.698,112.599 193.979,112.318 196.578,112.318 196.628,112.268 ; 193.385,145.774 193.41,145.749 195.298,145.749 195.688,145.359 196.488,145.359 196.809,145.359 ; 246.51,114.267 248.698,114.267 249.598,113.367 250.193,113.367 ; 246.51,116.917 248.655,116.917 249.598,117.86 250.193,117.86 252.461,115.592 253.821,115.592 ; 246.51,155.538 248.698,155.538 249.598,154.638 250.193,154.638 ; 246.51,158.188 248.655,158.188 249.598,159.131 250.193,159.131 252.461,156.863 253.821,156.863 ; 246.761,46.804 247.061,46.804 247.61,46.255 249.642,46.255 250.063,45.834 ; 246.761,49.454 247.061,49.454 247.513,49.906 249.642,49.906 250.063,50.327 253.453,50.327 v2(254.889,48.891) ; 246.761,75.633 247.061,75.633 247.61,75.084 249.642,75.084 250.063,74.663 ; 246.761,78.283 247.061,78.283 247.513,78.735 249.642,78.735 250.063,79.156 253.453,79.156 v2(254.889,77.72) ; 254.496,111.599 255.796,111.599 258.049,111.599 259.21,112.761 v4(259.21,112.399) 259.21,113.161 261.083,113.161 261.48,113.558 ; 254.496,152.87 255.796,152.87 258.049,152.87 259.21,154.032 v4(259.21,153.67) 259.21,154.432 261.083,154.432 261.48,154.829 ; 254.511,119.691 255.781,119.691 ; 254.511,160.962 255.781,160.962 ; 255.796,119.706 255.826,119.736 259.181,119.736 259.21,119.706 v4(259.21,117.225) ; 255.796,160.977 255.826,161.007 259.181,161.007 259.21,160.977 v4(259.21,158.496) ; 256.921,46.859 256.921,48.061 256.994,48.134 256.994,49.259 v2(257.119,49.384) ; 256.921,75.688 256.921,76.89 256.994,76.963 256.994,78.088 v2(257.119,78.213) ; 259.715,49.384 259.715,49.059 259.84,48.934 260.165,48.934 260.536,48.563 261.418,48.563 261.493,48.488 261.568,48.563 v2@263.199,48.563 ; 259.715,78.213 259.715,77.888 259.84,77.763 260.165,77.763 260.536,77.392 261.418,77.392 261.493,77.317 261.568,77.392 v2@263.199,77.392 ; 261.806,119.765 261.931,119.64 261.931,118.919 262.004,118.846 262.004,117.437 v4(262.004,117.204) 262.004,116.971 262.004,115.558 ; 261.806,161.036 261.931,160.911 261.931,160.19 262.004,160.117 262.004,158.708 v4(262.004,158.475) 262.004,158.242 262.004,156.829 ; 262.004,113.908 266.629,113.908 266.704,113.833 266.704,113.796 ; 262.004,155.179 266.629,155.179 266.704,155.104 266.704,155.067 ; 264.417,109.986 v2(264.417,110.875) ; 264.417,151.257 v2(264.417,152.146) ; v6(268.608,120.146) 271.216,120.146 271.847,120.777 272.672,120.777 273.497,120.777 275.593,118.681 275.593,113.984 ; v6(268.608,161.417) 271.216,161.417 271.847,162.048 272.672,162.048 273.497,162.048 275.593,159.952 275.593,155.255 ; 77.66,156.924 81.11,160.374 81.385,160.374 84.446,160.374 84.785,160.035 ; 77.66,156.924 78.26,156.324 78.26,146.749